# Altium PCB DBBC7205S.PcbDoc (part 2 of 2)
Units mm, origin at the board's own origin, x right, y up, seen from the top; angles counter-clockwise.
Board outline 86.61 x 84.33 mm, 2 copper layers (Top Layer, Bottom Layer); 126 components, 73 nets, 452 pads, 773 vias.
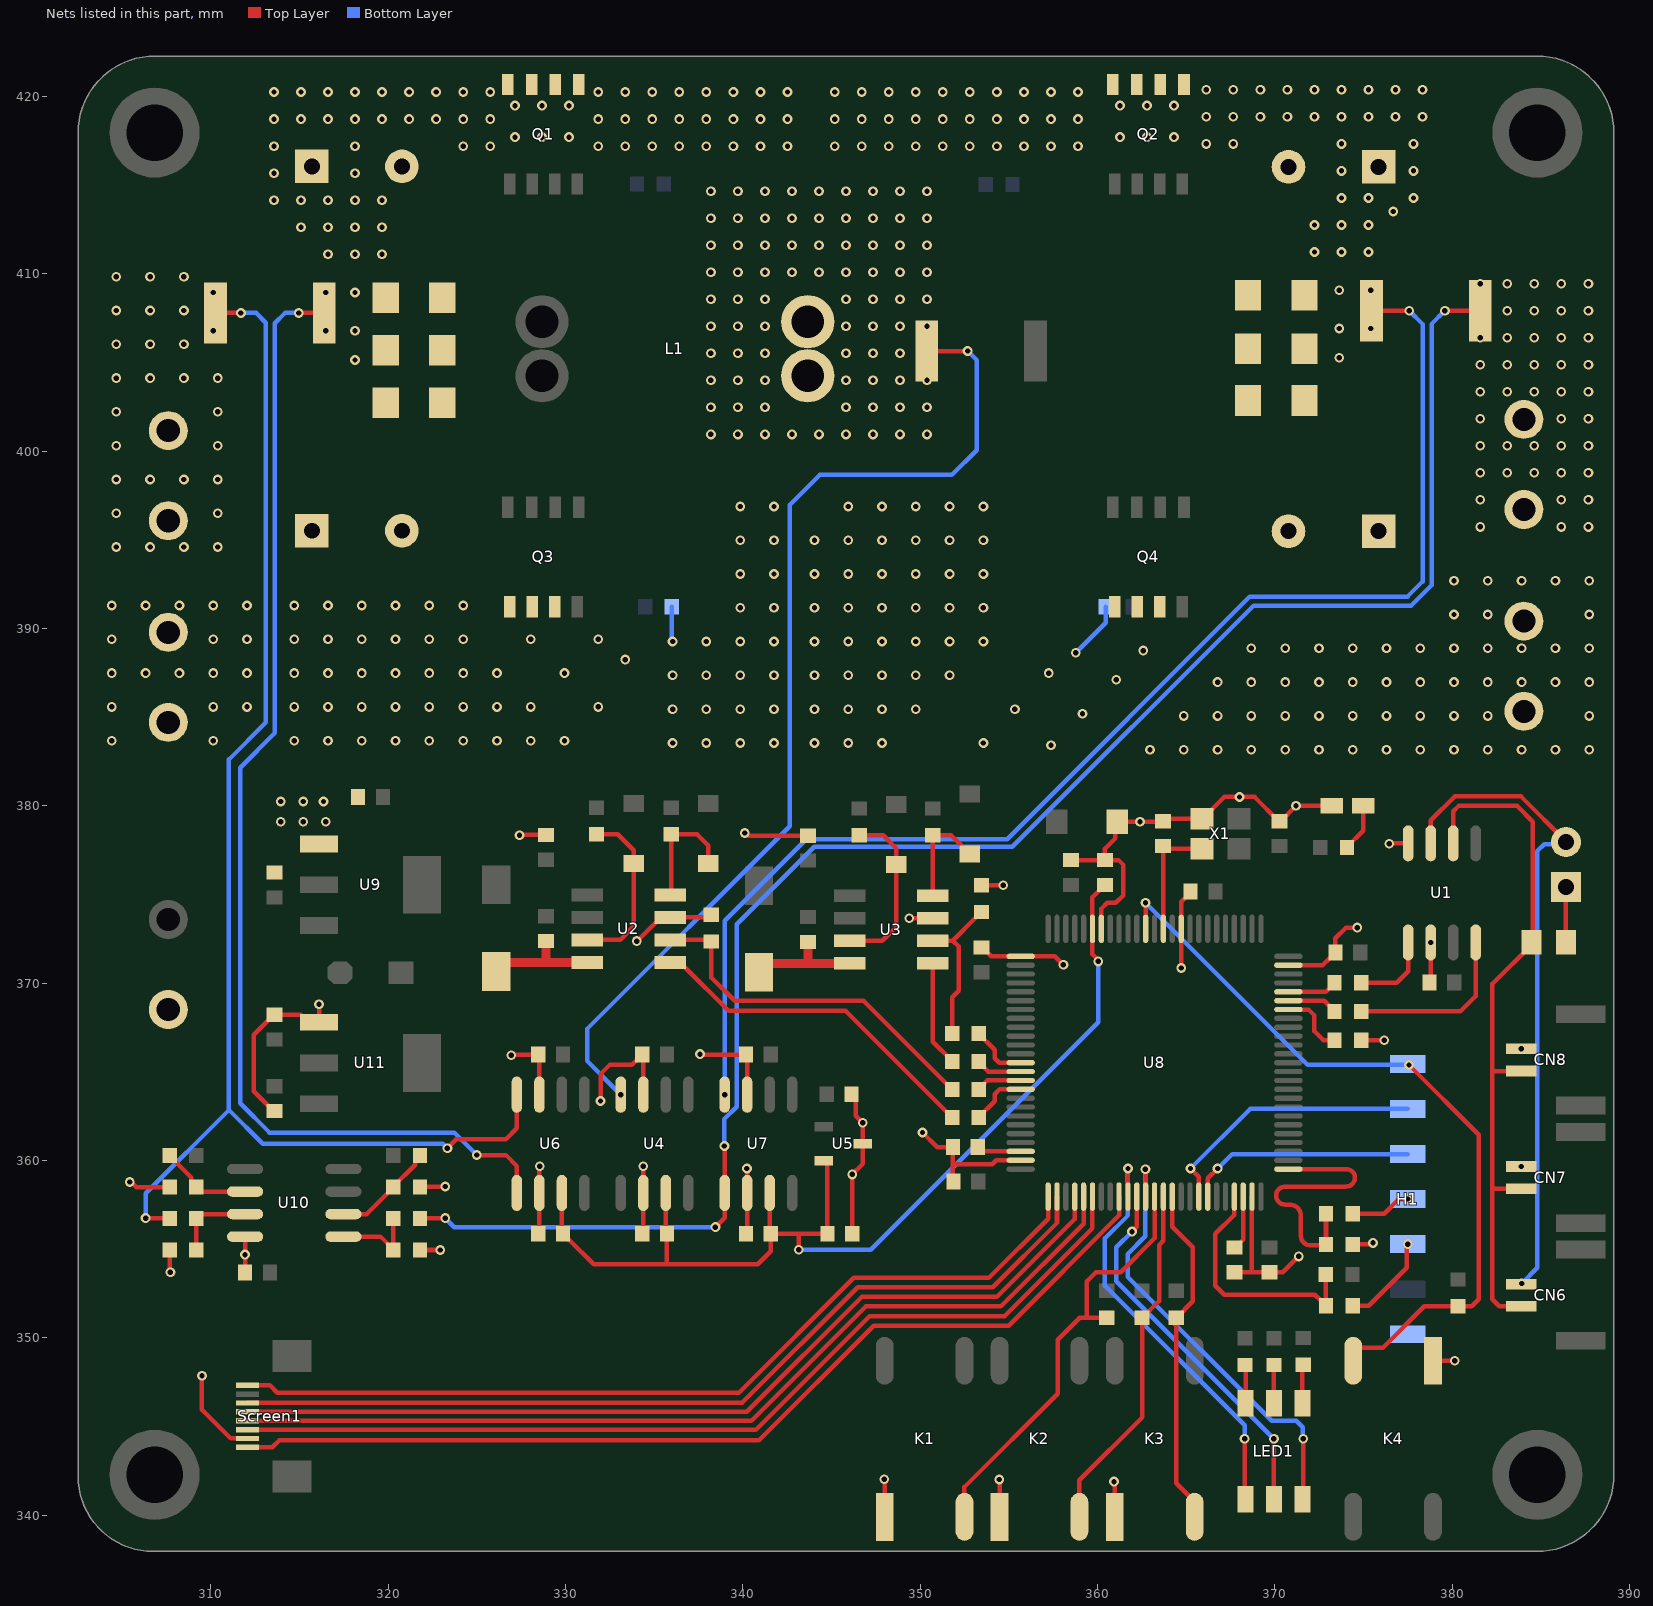
[diagram p2: the nets of this part, all layers, seen from the top]

## Via types
v1: diameter 0.55, hole 0.3, Top Layer to Bottom Layer, 773 vias

## Nets (pads, with @x,y where several pads share a name; then routed paths per layer and width w, separated by ;. In a path a pad name is that pad's centre, name@x,y a point inside that pad or via, vN(x,y) a via of type N, cw(c..) or ccw(c..) an arc to the next point about the centre after c; other vN are vias at no path point) (continued)
C1N: C1.2 C2.2 C3.2 C4.2 C5.1 C6.1 C7.2 C8.2 C9.2 C10.2 C11.2 C12.1 C13.1 C14.1 C17.1 C18.2 C19.2 C20.1 C21.1 C22.1 C23.1 C24.1 C25.1 C26.1 C27.2 C28.1 C29.2 C30.1 C31.1 C32.1 C33.1 C34.1 C35.1 C36.2 C37.2 C38.1 C39.1 C40.2 CN3.2 CN4.1 CN4.2 CN5.1 CN5.2 H1.7 K1.1 K2.1 K3.1 K4.1 LED2.2 Q3.1 Q3.2 Q3.3 Q4.1 Q4.2 Q4.3 R14.1 R16.1 R17.1 R26.1 R27.1 R31.1 R32.2 R35.2 R38.1 R39.1 Screen1.2 U1.2 U1.8 U2.3 U3.3 U4.2 U4.7 U5.3 U6.2 U6.7 U7.2 U7.7 U8.10 U8.19 U8.26 U8.49 U8.74 U8.99 U9.1 U10.4 U11.1 X1.2 | length 144.5
  Top Layer w0.254: v1(305.435,358.775) 305.515,358.775 305.793,358.497 R31.1@307.677,358.497 ; R38.1@307.677,354.945 307.677,353.739 v1(307.721,353.695) ; v1(309.499,347.853) 309.499,345.948 311.13,344.317 Screen1.2@312.082,344.317 ; C32.1@311.934,353.669 U10.4@311.934,355.701 ; C34.1@313.597,362.775 313.547,362.775 312.42,363.902 312.42,367.088 313.542,368.209 C35.1@313.592,368.209 315.086,368.209 315.503,367.792 U11.1@316.103,367.792 v1(316.103,368.808) ; R39.1@321.8,354.945 v1(322.941,354.945) v1@322.961,354.965 ; R32.2@321.8,358.497 321.824,358.521 v1(323.215,358.521) ; v1@326.898,365.887 326.979,365.968 C20.1@328.467,365.968 328.532,365.903 U6.7@328.532,363.706 ; v1(327.406,378.333) 327.427,378.354 C12.1@328.896,378.354 ; C38.1@328.467,355.86 328.532,355.925 U6.2@328.532,358.162 328.532,359.647 v1(328.549,359.664) ; v1(331.978,363.347) 331.978,364.871 332.486,365.379 333.737,365.379 334.003,365.645 334.053,365.645 334.326,365.918 C17.1@334.326,365.968 334.391,365.903 U4.7@334.391,363.706 ; v1@334.01,372.364 334.033,372.364 335.368,373.699 U2.3@335.898,373.699 338.079,373.699 R26.1@338.224,373.845 ; C37.2@334.326,355.86 334.391,355.925 U4.2@334.391,358.162 v1(334.391,359.664) ; v1@337.566,366.014 337.612,365.968 C21.1@340.181,365.968 340.246,365.903 U7.7@340.246,363.706 ; v1(340.106,378.46) 340.26,378.306 C13.1@343.676,378.306 ; C39.1@340.181,355.86 340.246,355.925 U7.2@340.246,358.162 340.246,359.524 v1(340.233,359.537) ; C18.2@346.14,363.728 346.364,363.504 346.364,362.524 v1(346.766,362.123) 346.766,359.797 v1(346.176,359.208) C40.2@346.176,355.86 ; v1(347.98,342.011) 348.002,341.989 K1.1@348.002,339.897 ; v1@349.377,373.634 v1(349.394,373.651) U3.3@350.719,373.651 ; v1(350.139,361.569) 350.968,360.74 C19.2@351.851,360.74 351.851,359.789 ; C23.1@351.876,358.813 351.851,358.838 351.851,359.789 ; C22.1@353.461,372.007 353.511,372.007 354.013,371.506 U8.26@355.67,371.506 357.601,371.506 v1(358.081,371.026) ; R27.1@353.461,375.517 v1(354.689,375.517) v1@354.711,375.539 ; v1@354.457,342.011 354.482,341.986 K2.1@354.482,339.897 ; U8.49@355.679,359.997 U8.49@355.67,360.006 354.291,360.006 354.074,359.789 351.851,359.789 ; C27.2@358.521,376.936 361.188,376.936 361.442,376.682 361.442,374.926 361.039,374.523 360.553,374.523 360.229,374.199 360.229,373.065 U8.19@360.22,373.056 ; C28.1@360.426,376.936 360.426,377.571 361.018,378.163 361.018,379.003 C29.2@361.11,379.095 363.683,379.095 C36.2@363.709,379.121 363.859,379.271 X1.2@365.887,379.271 365.937,379.271 367.158,380.492 368.859,380.492 370.23,379.121 C33.1@370.28,379.121 370.33,379.121 v1(371.2,379.991) LED2.2@373.214,379.991 ; v1(360.934,341.884) 360.98,341.838 K3.1@360.98,339.897 ; v1@364.744,370.84 364.72,370.864 U8.10@364.72,373.056 364.72,374.576 365.252,375.108 C26.1@365.252,375.158 ; C14.1@367.727,353.692 368.712,353.692 ; U8.74@368.712,357.948 368.712,353.692 ; U8.99@370.77,371.006 370.779,371.015 372.705,371.015 373.096,371.406 373.146,371.406 373.419,371.679 C25.1@373.419,371.729 373.419,372.53 374.015,373.126 v1(374.65,373.126) ; v1(371.348,354.584) 370.456,353.692 368.712,353.692 ; R35.2@374.396,355.258 375.451,355.258 v1(375.539,355.346) ; R14.1@374.879,366.776 v1(376.174,366.776) ; v1@376.428,377.825 376.481,377.878 U1.8@377.523,377.878 ; C11.2@378.727,370.019 378.793,370.084 v1(378.793,372.29) ; K4.1@378.925,348.697 v1(380.156,348.697) v1@380.238,348.615
  Bottom Layer w0.254: R16.1@336.002,391.219 336.002,389.422 v1@336.042,389.382 ; v1(358.775,388.62) 360.467,390.312 R17.1@360.467,391.217
  other v1: 354.47,341.998 311.934,354.685 326.939,365.928 337.589,365.991 364.732,370.852 334.021,372.364 376.454,377.851 313.944,379.095 315.214,379.095 316.484,379.095 362.397,379.095 313.944,380.238 315.214,380.238 316.357,380.238 368.008,380.492 362.966,383.159 364.871,383.159 366.776,383.159 368.681,383.159 370.586,383.159 372.491,383.159 374.396,383.159 376.301,383.159 378.206,383.159 380.111,383.159 382.016,383.159 383.921,383.159 385.826,383.159 387.731,383.159 357.378,383.413 336.042,383.54 337.947,383.54 339.852,383.54 341.757,383.54 344.043,383.54 345.948,383.54 347.853,383.54 353.568,383.54 304.419,383.667 310.134,383.667 314.706,383.667 316.611,383.667 318.516,383.667 320.421,383.667 322.326,383.667 324.231,383.667 326.136,383.667 328.041,383.667 329.946,383.667 364.871,385.064 366.776,385.064 368.681,385.064 370.586,385.064 372.491,385.064 374.396,385.064 376.301,385.064 378.206,385.064 380.111,385.064 382.016,385.064 387.731,385.064 359.156,385.191 336.042,385.445 337.947,385.445 339.852,385.445 341.757,385.445 344.043,385.445 345.948,385.445 347.853,385.445 349.758,385.445 355.346,385.445 304.419,385.572 310.134,385.572 312.039,385.572 314.706,385.572 316.611,385.572 318.516,385.572 320.421,385.572 322.326,385.572 324.231,385.572 326.136,385.572 328.041,385.572 331.851,385.572 366.776,386.969 368.681,386.969 370.586,386.969 372.491,386.969 374.396,386.969 376.301,386.969 378.206,386.969 380.111,386.969 382.016,386.969 383.921,386.969 385.826,386.969 387.731,386.969 361.061,387.096 336.042,387.35 337.947,387.35 339.852,387.35 341.757,387.35 344.043,387.35 345.948,387.35 347.853,387.35 349.758,387.35 351.663,387.35 304.419,387.477 306.324,387.477 308.229,387.477 310.134,387.477 312.039,387.477 314.706,387.477 316.611,387.477 318.516,387.477 320.421,387.477 322.326,387.477 324.231,387.477 326.136,387.477 329.946,387.477 357.251,387.477 333.375,388.239 362.585,388.747 368.681,388.874 370.586,388.874 372.491,388.874 374.396,388.874 376.301,388.874 378.206,388.874 380.111,388.874 382.016,388.874 383.921,388.874 385.826,388.874 387.731,388.874 336.042,389.255 337.947,389.255 339.852,389.255 341.757,389.255 344.043,389.255 345.948,389.255 347.853,389.255 349.758,389.255 351.663,389.255 353.568,389.255 304.419,389.382 310.134,389.382 312.039,389.382 314.706,389.382 316.611,389.382 318.516,389.382 320.421,389.382 322.326,389.382 324.231,389.382 328.041,389.382 331.851,389.382 380.111,390.779 382.016,390.779 387.731,390.779 339.852,391.16 341.757,391.16 344.043,391.16 345.948,391.16 347.853,391.16 349.758,391.16 351.663,391.16 353.568,391.16 304.419,391.287 306.324,391.287 308.229,391.287 310.134,391.287 312.039,391.287 314.706,391.287 316.611,391.287 318.516,391.287 320.421,391.287 322.326,391.287 324.231,391.287 380.111,392.684 382.016,392.684 383.921,392.684 385.826,392.684 387.731,392.684 339.852,393.065 341.757,393.065 344.043,393.065 345.948,393.065 347.853,393.065 349.758,393.065 351.663,393.065 353.568,393.065 339.852,394.97 341.757,394.97 344.043,394.97 345.948,394.97 347.853,394.97 349.758,394.97 351.663,394.97 353.568,394.97 339.852,396.875 341.757,396.875 345.948,396.875 347.853,396.875 349.758,396.875 351.663,396.875 353.568,396.875
C1P: C1.1 C3.1 C5.2 C7.1 C9.1 Q1.5 Q1.6 Q1.7 Q1.8 R2.2 U6.1 | length 66.4
  Top Layer w0.254: v1(314.96,407.788) R2.2@316.394,407.788 ; v1(324.993,360.299) 326.644,360.299 327.262,359.681 U6.1@327.262,358.162
  Bottom Layer w0.254: v1(314.96,407.788) 314.189,407.788 313.616,407.215 313.616,384.101 311.658,382.143 311.658,363.22 313.309,361.569 323.723,361.569 v1(324.993,360.299)
  other v1: 318.135,405.13 316.484,406.781 318.135,406.781 316.484,408.94 318.135,408.94 316.611,411.099 318.135,411.099 319.659,411.099 315.087,412.623 316.611,412.623 318.135,412.623 319.659,412.623 313.563,414.147 315.087,414.147 316.611,414.147 318.135,414.147 319.659,414.147 313.563,415.671 318.135,415.671 313.563,417.195 318.135,417.195 324.231,417.195 325.755,417.195 331.851,417.195 333.375,417.195 334.899,417.195 336.423,417.195 337.947,417.195 339.471,417.195 340.995,417.195 342.519,417.195 327.152,417.703 328.676,417.703 330.2,417.703 313.563,418.719 315.087,418.719 316.611,418.719 318.135,418.719 319.659,418.719 321.183,418.719 322.707,418.719 324.231,418.719 325.755,418.719 331.851,418.719 333.375,418.719 334.899,418.719 336.423,418.719 337.947,418.719 339.471,418.719 340.995,418.719 342.519,418.719 327.152,419.481 328.676,419.481 330.2,419.481 313.563,420.243 315.087,420.243 316.611,420.243 318.135,420.243 319.659,420.243 321.183,420.243 322.707,420.243 324.231,420.243 325.755,420.243 331.851,420.243 333.375,420.243 334.899,420.243 336.423,420.243 337.947,420.243 339.471,420.243 340.995,420.243 342.519,420.243
C2P: C2.1 C4.1 C6.2 C8.1 C10.1 Q2.5 Q2.6 Q2.7 Q2.8 R4.1 U7.8 | length 74.8
  Top Layer w0.254: R4.1@375.458,407.915 v1(377.58,407.915)
  Bottom Layer w0.254: v1(338.976,363.706) 338.976,373.52 343.572,378.116 354.919,378.116 368.598,391.795 377.488,391.795 378.333,392.64 378.333,407.162 v1(377.58,407.915)
  other v1: 373.634,405.257 373.634,406.908 375.412,406.908 373.634,409.067 375.412,409.067 372.237,411.226 373.761,411.226 375.285,411.226 372.237,412.75 373.761,412.75 375.285,412.75 376.682,413.512 373.761,414.274 375.285,414.274 377.825,414.274 373.761,415.798 377.825,415.798 345.186,417.195 346.71,417.195 348.234,417.195 349.758,417.195 351.282,417.195 352.806,417.195 354.33,417.195 355.854,417.195 357.378,417.195 358.902,417.195 366.141,417.322 367.665,417.322 373.761,417.322 377.825,417.322 361.274,417.703 362.798,417.703 364.322,417.703 345.186,418.719 346.71,418.719 348.234,418.719 349.758,418.719 351.282,418.719 352.806,418.719 354.33,418.719 355.854,418.719 357.378,418.719 358.902,418.719 366.141,418.846 367.665,418.846 369.189,418.846 370.713,418.846 372.237,418.846 373.761,418.846 375.285,418.846 376.809,418.846 378.333,418.846 361.274,419.481 362.798,419.481 364.322,419.481 345.186,420.243 346.71,420.243 348.234,420.243 349.758,420.243 351.282,420.243 352.806,420.243 354.33,420.243 355.854,420.243 357.378,420.243 358.902,420.243 366.141,420.37 367.665,420.37 369.189,420.37 370.713,420.37 372.237,420.37 373.761,420.37 375.285,420.37 376.809,420.37 378.333,420.37
CAN_RX: R10.1 U1.4 | length 9.8
  Top Layer w0.254: R10.1@374.879,368.397 380.462,368.397 381.333,369.268 U1.4@381.333,372.29
CAN_TX: R9.1 U1.1 | length 4.6
  Top Layer w0.254: R9.1@374.879,370.047 R9.1@374.879,370.019 376.877,370.019 377.523,370.665 U1.1@377.523,372.29
CANH: CN6.1 CN7.1 CN8.1 SW1.2 U1.7 | length 39
  Top Layer w0.254: U1.7@378.793,377.878 378.793,379.174 380.142,380.523 383.89,380.523 SW1.2@386.442,377.971
  Bottom Layer w0.254: v1(383.897,359.655) 384.801,359.655 384.81,359.664 ; v1(383.897,366.287) 384.791,366.287 384.81,366.268 ; v1(383.921,353.06) 384.81,353.949 384.81,359.664 ; SW1.2@386.42,377.949 386.295,377.823 385.189,377.823 384.81,377.444 384.81,366.268 ; 384.81,359.664 384.81,366.268
CANL: CN6.2 CN7.2 CN8.2 R18.1 U1.6 | length 39.7
  Top Layer w0.254: U1.6@380.063,377.878 380.063,379.682 380.365,379.984 383.667,379.984 384.556,379.095 R18.1@384.556,372.29 ; CN6.2@383.897,351.773 382.668,351.773 382.27,352.171 382.27,358.521 ; CN7.2@383.897,358.405 382.386,358.405 382.27,358.521 ; CN8.2@383.897,365.037 382.309,365.037 382.27,364.998 ; R18.1@384.488,372.29 384.488,372.168 382.27,369.95 382.27,364.998 ; 382.27,358.521 382.27,364.998
CS: Screen1.8 U8.51 | length 50.6
  Top Layer w0.254: Screen1.8@312.082,347.317 313.337,347.317 313.755,346.899 339.787,346.899 346.264,353.376 353.884,353.376 357.22,356.712 U8.51@357.22,357.956
ENA: R25.2 R26.2 U2.2 | length 20.6
  Top Layer w0.254: U2.2@335.898,372.429 338.133,372.429 R26.2@338.224,372.338 338.224,370.309 339.538,368.995 346.809,368.995 351.5,364.304 351.529,364.304 351.805,364.028 R25.2@351.805,363.999
ENB: R23.2 R27.2 U3.2 | length 9
  Top Layer w0.254: U3.2@350.719,372.381 350.731,372.393 351.841,372.393 ; R23.2@351.805,367.157 351.805,369.204 352.171,369.57 352.171,372.063 351.841,372.393 ; R27.2@353.459,374.011 353.432,374.011 353.156,373.734 353.156,373.708 351.841,372.393
Iin+: CN1.1 CN1.2 R2.1 R33.1 U6.8 | length 77.3
  Top Layer w0.254: v1(306.324,356.743) 307.655,356.743 R33.1@307.677,356.721 ; R2.1@310.271,407.797 R2.1@310.262,407.788 v1(311.696,407.788) ; v1(323.342,360.68) 323.85,361.188 326.644,361.188 327.262,361.806 U6.8@327.262,363.706
  Bottom Layer w0.254: v1(306.324,356.743) 306.324,358.14 311.023,362.839 ; v1(311.696,407.788) 312.556,407.788 313.108,407.236 313.108,384.692 311.023,382.607 311.023,362.839 ; v1(323.342,360.68) 323.088,360.934 312.928,360.934 311.023,362.839
  other v1: 304.673,394.589 306.578,394.589 308.483,394.589 310.388,394.589 304.673,396.494 310.388,396.494 304.673,398.399 306.578,398.399 308.483,398.399 310.388,398.399 304.673,400.304 310.388,400.304 304.673,402.209 310.388,402.209 304.673,404.114 306.578,404.114 308.483,404.114 310.388,404.114 304.673,406.019 306.578,406.019 308.483,406.019 310.134,406.781 304.673,407.924 306.578,407.924 308.483,407.924 310.134,408.94 304.673,409.829 306.578,409.829 308.483,409.829
IL+: L1.2 R3.1 U4.8 | length 58.7
  Top Layer w0.254: R3.1@350.375,405.638 v1(352.679,405.638)
  Bottom Layer w0.254: v1(333.121,363.706) 331.216,365.611 331.216,367.411 342.646,378.841 342.646,396.958 344.341,398.653 351.79,398.653 353.187,400.05 353.187,405.13 v1(352.679,405.638)
  other v1: 338.201,400.939 339.725,400.939 341.249,400.939 342.773,400.939 344.297,400.939 345.821,400.939 347.345,400.939 348.869,400.939 350.393,400.939 338.201,402.463 339.725,402.463 341.249,402.463 345.821,402.463 347.345,402.463 348.869,402.463 350.393,402.463 338.201,403.987 339.725,403.987 341.249,403.987 345.821,403.987 347.345,403.987 348.869,403.987 350.393,403.987 338.201,405.511 339.725,405.511 341.249,405.511 345.821,405.511 347.345,405.511 348.869,405.511 338.201,407.035 339.725,407.035 341.249,407.035 345.821,407.035 347.345,407.035 348.869,407.035 350.393,407.035 338.201,408.559 339.725,408.559 341.249,408.559 345.821,408.559 347.345,408.559 348.869,408.559 350.393,408.559 338.201,410.083 339.725,410.083 341.249,410.083 342.773,410.083 344.297,410.083 345.821,410.083 347.345,410.083 348.869,410.083 350.393,410.083 338.201,411.607 339.725,411.607 341.249,411.607 342.773,411.607 344.297,411.607 345.821,411.607 347.345,411.607 348.869,411.607 350.393,411.607 338.201,413.131 339.725,413.131 341.249,413.131 342.773,413.131 344.297,413.131 345.821,413.131 347.345,413.131 348.869,413.131 350.393,413.131 338.201,414.655 339.725,414.655 341.249,414.655 342.773,414.655 344.297,414.655 345.821,414.655 347.345,414.655 348.869,414.655 350.393,414.655
Iout-: CN2.1 CN2.2 R4.2 R34.2 U7.1 | length 99.4
  Top Layer w0.254: R34.2@321.8,356.721 321.823,356.743 v1(323.215,356.743) ; v1(338.455,356.235) 338.976,356.756 U7.1@338.976,358.162 338.97,358.168 338.97,360.8 v1(338.963,360.807) ; v1(379.594,407.915) R4.2@381.59,407.915
  Bottom Layer w0.254: v1(323.215,356.743) 323.723,356.235 v1(338.455,356.235) ; v1(338.963,360.807) 338.963,362.331 339.664,363.032 339.664,373.319 344.029,377.684 355.205,377.684 368.808,391.287 377.698,391.287 378.841,392.43 378.841,407.162 v1(379.594,407.915)
  other v1: 381.59,395.723 386.162,395.723 387.686,395.723 381.59,397.247 386.162,397.247 387.686,397.247 381.59,398.771 383.114,398.771 384.638,398.771 386.162,398.771 387.686,398.771 381.59,400.295 383.114,400.295 384.638,400.295 386.162,400.295 387.686,400.295 381.59,401.819 386.162,401.819 387.686,401.819 381.59,403.343 383.114,403.343 384.638,403.343 386.162,403.343 387.686,403.343 381.59,404.867 383.114,404.867 384.638,404.867 386.162,404.867 387.686,404.867 381.59,406.391 383.114,406.391 384.638,406.391 386.162,406.391 387.686,406.391 383.114,407.915 384.638,407.915 386.162,407.915 387.686,407.915 381.59,409.439 383.114,409.439 384.638,409.439 386.162,409.439 387.686,409.439
Key1: K1.3 R5.1 U8.63 | length 24.7
  Top Layer w0.254: K1.3@352.502,339.897 352.502,341.58 357.759,346.837 357.759,349.885 359.007,351.133 359.41,351.133 R5.1@360.532,351.133 ; 359.41,351.155 359.41,353.187 359.918,353.695 361.315,353.695 363.22,355.6 U8.63@363.22,357.956
Key2: K2.3 R6.1 U8.64 | length 20
  Top Layer w0.254: K2.3@358.982,339.897 358.982,341.964 362.539,345.521 362.539,351.133 363.474,352.068 363.474,355.219 363.72,355.465 U8.64@363.72,357.956
Key3: K3.3 R7.1 U8.65 | length 19.4
  Top Layer w0.254: U8.65@364.22,357.956 364.22,356.251 365.379,355.092 365.379,352.047 364.465,351.133 R7.1@364.436,351.133 364.436,341.792 365.48,340.747 K3.3@365.48,339.897
LEDA: Screen1.1 U8.59 | length 55.6
  Top Layer w0.254: Screen1.1@312.082,343.817 313.464,343.817 313.852,344.205 340.903,344.205 347.38,350.682 355,350.682 361.22,356.902 U8.59@361.22,357.956
LEDB-: LED1.1 U8.62 | length 25.5
  Top Layer w0.254: v1(362.705,359.5) 362.713,359.493 362.713,357.963 U8.62@362.72,357.956 ; LED1.1@371.554,340.882 371.602,340.931 v1(371.602,344.297)
  Bottom Layer w0.254: v1(362.705,359.5) 362.705,355.72 361.696,354.711 361.696,353.441 369.824,345.313 371.221,345.313 371.581,344.953 371.581,344.318 v1(371.602,344.297)
LEDG-: LED1.5 U8.60 | length 24.1
  Top Layer w0.254: U8.60@361.72,357.956 v1(361.72,359.537) ; v1(368.3,344.297) 368.3,340.936 LED1.5@368.353,340.882
  Bottom Layer w0.254: v1(361.72,359.537) 361.72,356.894 360.426,355.6 360.426,352.933 368.3,345.059 v1(368.3,344.297)
LEDR-: LED1.3 U8.61 | length 21.2
  Top Layer w0.254: v1(361.95,355.981) 362.22,356.251 U8.61@362.22,357.956 ; v1(369.951,344.297) 369.951,340.885 LED1.3@369.954,340.882
  Bottom Layer w0.254: v1(361.95,355.981) 361.061,355.092 361.061,353.187 v1(369.951,344.297)
NetC14_2: C14.2 U8.73 | length 3.1
  Top Layer w0.254: C14.2@367.727,355.092 367.777,355.092 368.212,355.527 U8.73@368.212,357.948
NetC15_1: C15.1 D2.2 U2.8 | length 6.4
  Top Layer w0.254: D2.2@326.102,370.651 D2.2@326.61,371.159 ; 328.896,371.178 328.914,371.159
  Top Layer w0.508: D2.2@326.61,371.159 328.914,371.159 U2.8@331.218,371.159 ; 328.896,371.178 C15.1@328.896,372.256
NetC16_1: C16.1 D3.2 U3.8 | length 7.1
  Top Layer w0.254: D3.2@340.921,370.603 D3.2@341.429,371.111 ; 343.682,371.164 343.734,371.111
  Top Layer w0.508: D3.2@340.559,370.242 D3.2@340.921,370.603 ; D3.2@341.429,371.111 343.734,371.111 U3.8@346.039,371.111 ; 343.682,371.164 C16.1@343.682,372.317
NetC19_1: C19.1 U8.48 | length 2.5
  Top Layer w0.254: C19.1@353.251,360.74 353.485,360.506 U8.48@355.67,360.506
NetD5_1: D5.1 R19.1 U2.7 | length 10.1
  Top Layer w0.254: U2.7@331.218,372.429 333.087,372.429 333.858,373.2 D5.1@333.858,376.737 ; R19.1@331.749,378.383 332.958,378.383 333.858,377.482 D5.1@333.858,376.737 ; D5.1@333.577,376.457 D5.1@333.858,376.737
NetD6_1: D6.1 R21.1 U2.4 | length 7.1
  Top Layer w0.254: U2.4@335.898,374.969 335.973,375.044 R21.1@335.973,378.383 337.42,378.383 338.046,377.757 D6.1@338.046,376.737 D6.1@337.811,376.972
NetD7_1: D7.1 R20.1 U3.7 | length 9.8
  Top Layer w0.254: U3.7@346.039,372.381 347.858,372.381 348.666,373.189 D7.1@348.666,376.689 348.666,377.585 347.916,378.335 R20.1@346.57,378.335
NetD8_1: D8.1 R22.1 U3.4 | length 5.9
  Top Layer w0.254: U3.4@350.719,374.921 350.712,374.928 R22.1@350.712,378.335 351.747,378.335 352.571,377.51 D8.1@352.806,377.276
NetH1_4: H1.4 R42.1 | length 3.4
  Top Layer w0.254: R42.1@374.396,356.997 376.177,356.997 376.998,357.817 v1(377.498,357.817)
NetH1_5: H1.5 R41.1 | length 5.3
  Top Layer w0.254: R41.1@374.396,351.798 375.293,351.798 377.441,353.946 377.441,355.221 v1(377.498,355.277)
NetLED1_2: LED1.2 R1.1 | length 2.2
  Top Layer w0.254: LED1.2@371.554,346.293 371.554,348.421 R1.1@371.609,348.476
NetLED1_4: LED1.4 R8.1 | length 2.2
  Top Layer w0.254: LED1.4@369.954,346.293 369.954,348.447 R8.1@369.961,348.454
NetLED1_6: LED1.6 R11.1 | length 2.2
  Top Layer w0.254: R11.1@368.317,348.456 368.353,348.42 LED1.6@368.353,346.293
NetLED2_1: LED2.1 R15.2 | length 2.7
  Top Layer w0.254: R15.2@374.069,377.641 374.069,377.67 374.992,378.593 LED2.1@374.992,379.991
NetR9_2: R9.2 U8.96 | length 2.8
  Top Layer w0.254: U8.96@370.77,369.506 372.889,369.506 373.373,369.99 R9.2@373.373,370.019
NetR10_2: R10.2 U8.95 | length 2.9
  Top Layer w0.254: U8.95@370.77,369.006 372.793,369.006 373.373,368.426 R10.2@373.373,368.397
NetR14_2: R14.2 U8.94 | length 3.8
  Top Layer w0.254: U8.94@370.77,368.506 371.904,368.506 372.237,368.173 372.237,367.284 372.738,366.783 373.366,366.783 R14.2@373.373,366.776
NetR18_2: R18.2 SW1.1 | length 3.1
  Top Layer w0.254: R18.2@386.42,372.29 SW1.1@386.42,375.409
NetR23_1: R23.1 U8.38 | length 3.3
  Top Layer w0.254: R23.1@353.312,367.157 353.312,367.128 354.203,366.237 354.203,365.76 354.457,365.506 U8.38@355.67,365.506
NetR24_1: R24.1 U8.39 | length 2.6
  Top Layer w0.254: R24.1@353.312,365.578 353.312,365.549 353.855,365.006 U8.39@355.67,365.006
NetR25_1: R25.1 U8.40 | length 2.6
  Top Layer w0.254: R25.1@353.312,363.999 353.312,364.028 353.79,364.506 U8.40@355.67,364.506
NetR28_1: R28.1 U8.41 | length 3.3
  Top Layer w0.254: R28.1@353.312,362.42 353.312,362.449 354.203,363.34 354.203,363.728 354.481,364.006 U8.41@355.67,364.006
NetR29_1: R29.1 R31.2 U10.2 | length 5.3
  Top Layer w0.254: R29.1@307.677,360.273 307.677,360.245 308.907,359.014 308.907,358.773 R31.2@309.184,358.497 309.439,358.241 U10.2@311.934,358.241
NetR30_1: R30.1 R32.1 U10.6 | length 5.9
  Top Layer w0.254: U10.6@317.478,356.971 318.797,356.971 320.294,358.468 R32.1@320.294,358.497 320.294,358.526 321.524,359.756 321.524,359.997 R30.1@321.8,360.273
NetR33_2: R33.2 R38.2 U10.3 | length 4.6
  Top Layer w0.254: R38.2@309.184,354.945 R33.2@309.184,356.721 309.434,356.971 U10.3@311.934,356.971
NetR34_1: R34.1 R39.2 U10.5 | length 4.9
  Top Layer w0.254: U10.5@317.478,355.701 319.566,355.701 R39.2@320.294,354.973 ; R39.2@320.294,354.945 R39.2@320.294,354.973 ; R34.1@320.294,356.721 R39.2@320.294,354.973
NRST: H1.1 K4.3 R37.1 U8.14 | length 43.7
  Top Layer w0.254: v1(362.712,374.523) 362.72,374.515 U8.14@362.72,373.056 ; K4.3@374.425,348.697 374.425,349.075 374.769,349.42 376.09,349.42 378.439,351.77 R37.1@380.335,351.77 381.107,351.77 381.508,352.171 381.508,361.442 v1(377.571,365.379)
  Bottom Layer w0.254: v1(362.712,374.523) 371.856,365.379 v1(377.571,365.379)
OSC_IN: C36.1 U8.12 X1.3 | length 6.9
  Top Layer w0.254: C36.1@363.709,377.721 C36.1@363.72,377.71 ; U8.12@363.72,373.056 C36.1@363.72,377.71 ; X1.3@365.887,377.571 363.859,377.571 C36.1@363.72,377.71
PWMA: R28.2 U2.1 | length 19.5
  Top Layer w0.254: U2.1@335.898,371.159 336.131,370.926 336.709,370.926 339.208,368.427 345.798,368.427 351.5,362.725 351.529,362.725 351.805,362.449 R28.2@351.805,362.42
PWMB: R24.2 U3.1 | length 6
  Top Layer w0.254: U3.1@350.719,371.111 350.719,366.693 351.805,365.607 R24.2@351.805,365.578
RESET: Screen1.3 U8.56 | length 54.1
  Top Layer w0.254: Screen1.3@312.082,344.805 340.741,344.805 347.156,351.22 354.776,351.22 359.72,356.164 U8.56@359.72,357.956
RS: Screen1.4 U8.55 | length 53.3
  Top Layer w0.254: Screen1.4@312.082,345.317 340.491,345.317 346.933,351.759 354.553,351.759 359.22,356.426 U8.55@359.22,357.956
SCL: Screen1.6 U8.52 | length 51.3
  Top Layer w0.254: Screen1.6@312.082,346.329 339.958,346.329 346.481,352.852 354.101,352.852 357.72,356.471 U8.52@357.72,357.956
SDA: Screen1.5 U8.54 | length 52.4
  Top Layer w0.254: Screen1.5@312.082,345.821 340.233,345.821 346.71,352.298 354.33,352.298 358.711,356.679 358.711,357.947 U8.54@358.72,357.956
SWCLK: R35.1 R42.2 U8.76 | length 15.7
  Top Layer w0.254: U8.76@370.77,359.506 374.046,359.506 cw(c374.046,359.029) 374.523,359.029 cw(c374.015,359.029) 374.015,358.521 370.586,358.521 ccw(c370.586,358.013) 370.586,357.505 370.84,357.505 cw(c370.84,356.87) 371.475,356.87 371.475,355.727 ccw(c371.983,355.727) 371.983,355.219 372.85,355.219 ccw(c372.85,355.258) R35.1@372.89,355.258 R42.2@372.89,356.997
SWDIO: R36.1 R41.2 U8.72 | length 14
  Top Layer w0.254: U8.72@367.72,357.956 367.711,357.947 367.711,356.916 366.649,355.854 366.649,352.933 367.157,352.425 372.263,352.425 372.585,352.103 372.613,352.103 372.89,351.827 R41.2@372.89,351.798 372.88,351.808 R36.1@372.88,353.561
USART1_RX: H1.3 U8.69 | length 12.9
  Top Layer w0.254: U8.69@366.22,357.956 366.229,357.965 366.229,358.99 v1(366.776,359.537)
  Bottom Layer w0.254: v1(366.776,359.537) 367.596,360.357 H1.3@377.498,360.357
USART1_TX: H1.2 U8.68 | length 15.4
  Top Layer w0.254: v1(365.252,359.537) 365.72,359.069 U8.68@365.72,357.956
  Bottom Layer w0.254: v1(365.252,359.537) 368.612,362.897 H1.2@377.498,362.897
Vref+: C28.2 C37.1 C38.2 C39.2 C40.1 U4.3 U5.2 U6.3 U7.3 U8.20 | length 61.1
  Top Layer w0.254: U6.3@329.802,358.162 329.802,355.875 330.139,355.537 330.189,355.537 331.595,354.132 335.717,354.132 ; U4.3@335.661,358.162 335.661,355.925 C37.1@335.726,355.86 335.726,354.141 335.717,354.132 ; C39.2@341.516,355.925 U7.3@341.516,358.162 ; v1(343.154,354.965) 343.154,355.835 343.179,355.86 ; U5.2@344.563,359.984 344.637,359.984 344.776,359.845 C40.1@344.776,355.86 343.179,355.86 ; v1(360.045,371.221) 360.045,371.301 359.72,371.626 359.72,374.83 360.103,375.213 360.103,375.263 360.376,375.536 C28.2@360.426,375.536 ; 335.717,354.132 340.846,354.132 341.581,354.867 C39.2@341.581,355.86 343.179,355.86
  Bottom Layer w0.254: v1(343.154,354.965) 347.218,354.965 360.045,367.792 v1(360.045,371.221)
pads on no net: CN6.3 CN6.4 CN7.3 CN7.4 CN8.3 CN8.4 K1.2 K1.4 K2.2 K2.4 K3.2 K3.4 K4.2 K4.4 M1.1 M2.1 M3.1 M4.1 Screen1.0 U1.5 U4.4 U6.4 U7.4 U8.1 U8.2 U8.3 U8.4 U8.5 U8.7 U8.8 U8.9 U8.13 U8.17 U8.22 U8.23 U8.28 U8.29 U8.30 U8.31 U8.32 U8.33 U8.34 U8.35 U8.36 U8.37 U8.42 U8.43 U8.44 U8.45 U8.46 U8.47 U8.53 U8.57 U8.58 U8.66 U8.67 U8.70 U8.71 U8.77 U8.78 U8.79 U8.80 U8.81 U8.82 U8.83 U8.84 U8.85 U8.86 U8.87 U8.88 U8.89 U8.90 U8.91 U8.92 U8.93 U8.97 U8.98 X1.1

## Polygon pours and split planes (outlines as drawn)
C1N on Bottom Layer "C1N_L02_P000" (solid, remove dead copper, pour order 0): 303.403,392.43 324.866,392.43 324.866,390.017 337.82,390.017 337.82,399.034 354.711,399.034 354.711,390.017 367.411,390.017 367.411,393.065 388.239,393.065 388.239,346.075 381,346.075 381,338.709 310.642,338.709 310.642,346.075 303.403,346.075

## Other copper
Top Layer:
  region net +12: 325.882,374.65 325.247,374.015 324.358,374.015 323.977,374.396 323.977,376.047 324.485,376.555 325.882,376.555
  region net +12: 307.594,374.65 313.309,374.65 313.309,372.491 307.594,372.491
  region net +3V3: 367.919,360.807 367.919,369.951 358.521,369.951 358.521,360.807
  region net +5: 314.944,376.179 314.944,374.909 319.516,374.909 319.516,376.179
  region net C1N: 313.166,380.878 313.166,375.798 314.055,375.798 314.055,377.322 318.754,377.322 318.754,380.878
  region net +12: 313.166,375.163 313.166,369.956 317.992,369.956 317.992,373.893 314.055,373.893 314.055,375.163
  region net +5: 319.389,380.878 322.945,380.878 322.945,369.956 320.024,369.956 319.389,369.956
  region net C1N: 378.841,393.065 378.206,392.43 372.872,392.43 372.11,393.192 372.11,398.145 369.443,400.812 369.443,413.512 371.348,415.417 370.205,416.56 370.078,416.56 367.411,413.893 367.411,389.509 380.492,389.509 380.492,393.065
  region net C1N: 324.104,391.795 324.104,414.02 321.691,416.433 320.802,416.433 320.802,416.306 320.04,415.544 322.199,413.385 322.199,401.066 319.405,398.272 319.405,391.795
  region net C1N: 303.403,392.43 324.866,392.43 324.866,391.795 329.692,391.795 329.692,390.017 337.82,390.017 337.82,399.034 354.711,399.034 354.711,391.795 363.855,391.795 363.855,390.017 379.857,390.017 379.857,393.065 388.239,393.065 388.239,382.016 303.403,382.016
  region net B_HS: 355.854,392.43 365.633,392.43 365.633,413.893 363.855,413.893 363.855,415.671 355.854,415.671
  region net C2P: 360.045,421.386 360.045,416.306 368.554,416.306 369.951,417.703 371.602,417.703 372.618,416.687 372.618,415.163 370.84,413.385 370.84,400.939 373.38,398.399 373.38,393.446 377.444,393.446 377.444,403.352 376.174,404.622 376.174,410.845 378.841,413.512 378.841,421.386 367.03,421.386
  region net C1P: 315.722,403.733 314.706,402.717 314.706,393.446 318.135,393.446 318.135,398.399 320.675,400.939 320.675,413.766 319.024,415.417 319.024,416.814 320.04,417.83 321.691,417.83 323.216,416.305 343.281,416.305 343.281,421.386 312.801,421.386 312.801,414.02 315.722,411.099
  region net C2P: 344.551,416.306 344.551,421.386 365.252,421.386 365.252,416.306 359.029,416.306
  region net Iout-: 379.857,394.081 388.239,394.081 388.239,410.972 380.873,410.972 380.873,406.019 379.857,405.003
  region net IL+: 337.693,415.29 351.028,415.29 351.028,400.05 337.693,400.05
  region net A_HS: 329.692,415.671 329.692,413.893 336.677,413.893 336.677,392.43 326.009,392.43 326.009,415.671
  region net Iin+: 311.912,393.446 311.912,404.876 310.896,405.892 310.515,405.892 310.515,393.446
  region net Iin+: 303.403,393.446 303.403,410.845 310.896,410.845 310.896,393.446
Bottom Layer:
  region net +12: 317.246,372.11 317.881,372.11 319.786,374.015 324.866,374.015 325.247,374.396 325.247,376.047 324.993,376.301 324.104,376.301 323.85,376.047 323.85,375.285 323.469,374.904 319.405,374.904 318.262,373.761 317.373,373.761 316.992,373.38 316.992,372.364
  region net B_HS: 355.854,392.43 365.633,392.43 365.633,413.893 355.854,413.893 355.854,409.067
  region net C2P: 360.045,421.386 360.045,416.306 368.554,416.306 369.951,417.703 371.602,417.703 372.618,416.687 372.618,415.163 370.84,413.385 370.84,404.622 374.904,404.622 376.174,405.892 376.174,410.845 378.841,413.512 378.841,421.386 367.03,421.386
  region net C1P: 315.722,405.892 317.119,404.495 320.675,404.495 320.675,413.766 319.024,415.417 319.024,416.814 320.04,417.83 321.691,417.83 323.215,416.306 343.281,416.306 343.281,421.386 312.801,421.386 312.801,414.02 315.722,411.099 315.722,406.019
  region net C2P: 344.551,416.306 344.551,421.386 365.252,421.386 365.252,416.306 359.029,416.306
  region net Iout-: 379.857,394.081 388.239,394.081 388.239,410.972 380.873,410.972 380.873,406.019 379.857,405.003
  region net IL+: 337.693,415.29 351.028,415.29 351.028,400.05 337.693,400.05
  region net A_HS: 336.677,413.893 327.279,413.893 326.009,412.623 326.009,392.43 336.677,392.43 336.677,398.526
  region net Iin+: 311.912,393.446 311.912,404.876 310.896,405.892 310.515,405.892 310.515,393.446
  region net Iin+: 303.403,393.446 303.403,410.845 310.896,410.845 310.896,393.446

## Silkscreen, mask and mechanical layers (free items; w line width, h text height)
Top Overlay:
  lines w0.254: 318.516,338.798 346.466,338.798 346.466,352.298 318.516,352.298 318.516,338.798
  text "VM2" at 383.413,405.384 h1.52
  text "VM1" at 304.673,405.13 h1.52
  text "GND" at 382.397,380.111 h1.52
  text "GND" at 305.054,379.857 h1.52
  text "+12V" at 304.165,377.317 h1.52
  text "CANH" at 384.937,369.205 h1.52
  text "NRST<" at 378.46,364.887 h1.52
  text "GND" at 305.308,363.728 h1.52
  text "UTX" at 378.46,362.347 h1.52
  text "URX" at 378.46,359.807 h1.52
  text "SWCLK" at 378.387,357.325 h1.52
  text "SWDIO" at 378.387,354.785 h1.52
  text "5V" at 381.254,352.187 h1.52
  text "GND" at 380.873,349.774 h1.52
  text "CANL" at 385.064,347.488 h1.52
  text "RST" at 375.285,338.582 h1.02
Mechanical 1:
  lines w0.254: 302.514,342.186 ccw(c306.753,342.186) 306.753,337.947 384.792,337.947 ccw(c384.792,342.283) 389.128,342.283 389.128,417.939 ccw(c384.792,417.939) 384.792,422.275 319.405,422.275 306.85,422.275 ccw(c306.85,417.939) 302.514,417.939 302.514,342.186